# Altium PCB GPSGSMTruck.PcbDoc
Units mm, origin at the board's own origin, x right, y up, seen from the top; angles counter-clockwise.
Board outline 70 x 55 mm, 2 copper layers (Top Layer, Bottom Layer); 118 components, 87 nets, 413 pads, 170 vias.
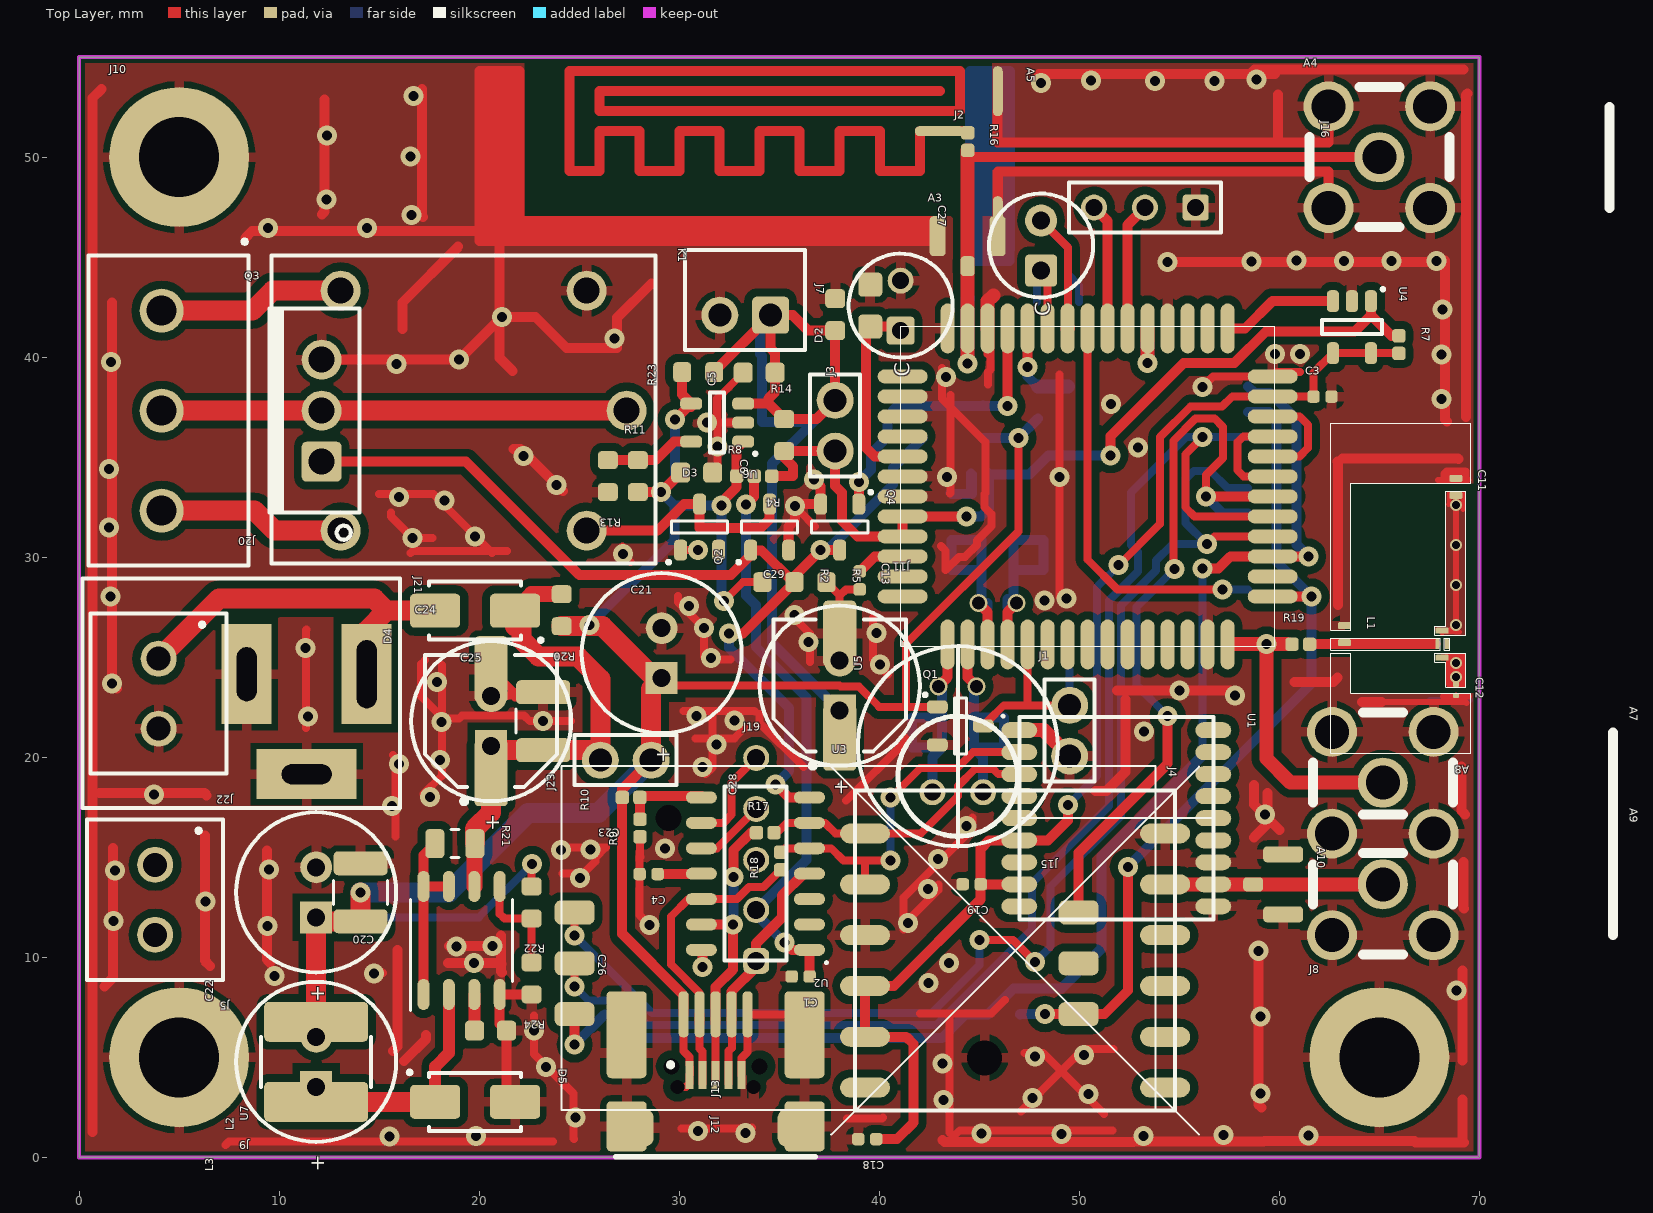
[diagram p0: Top Layer view]
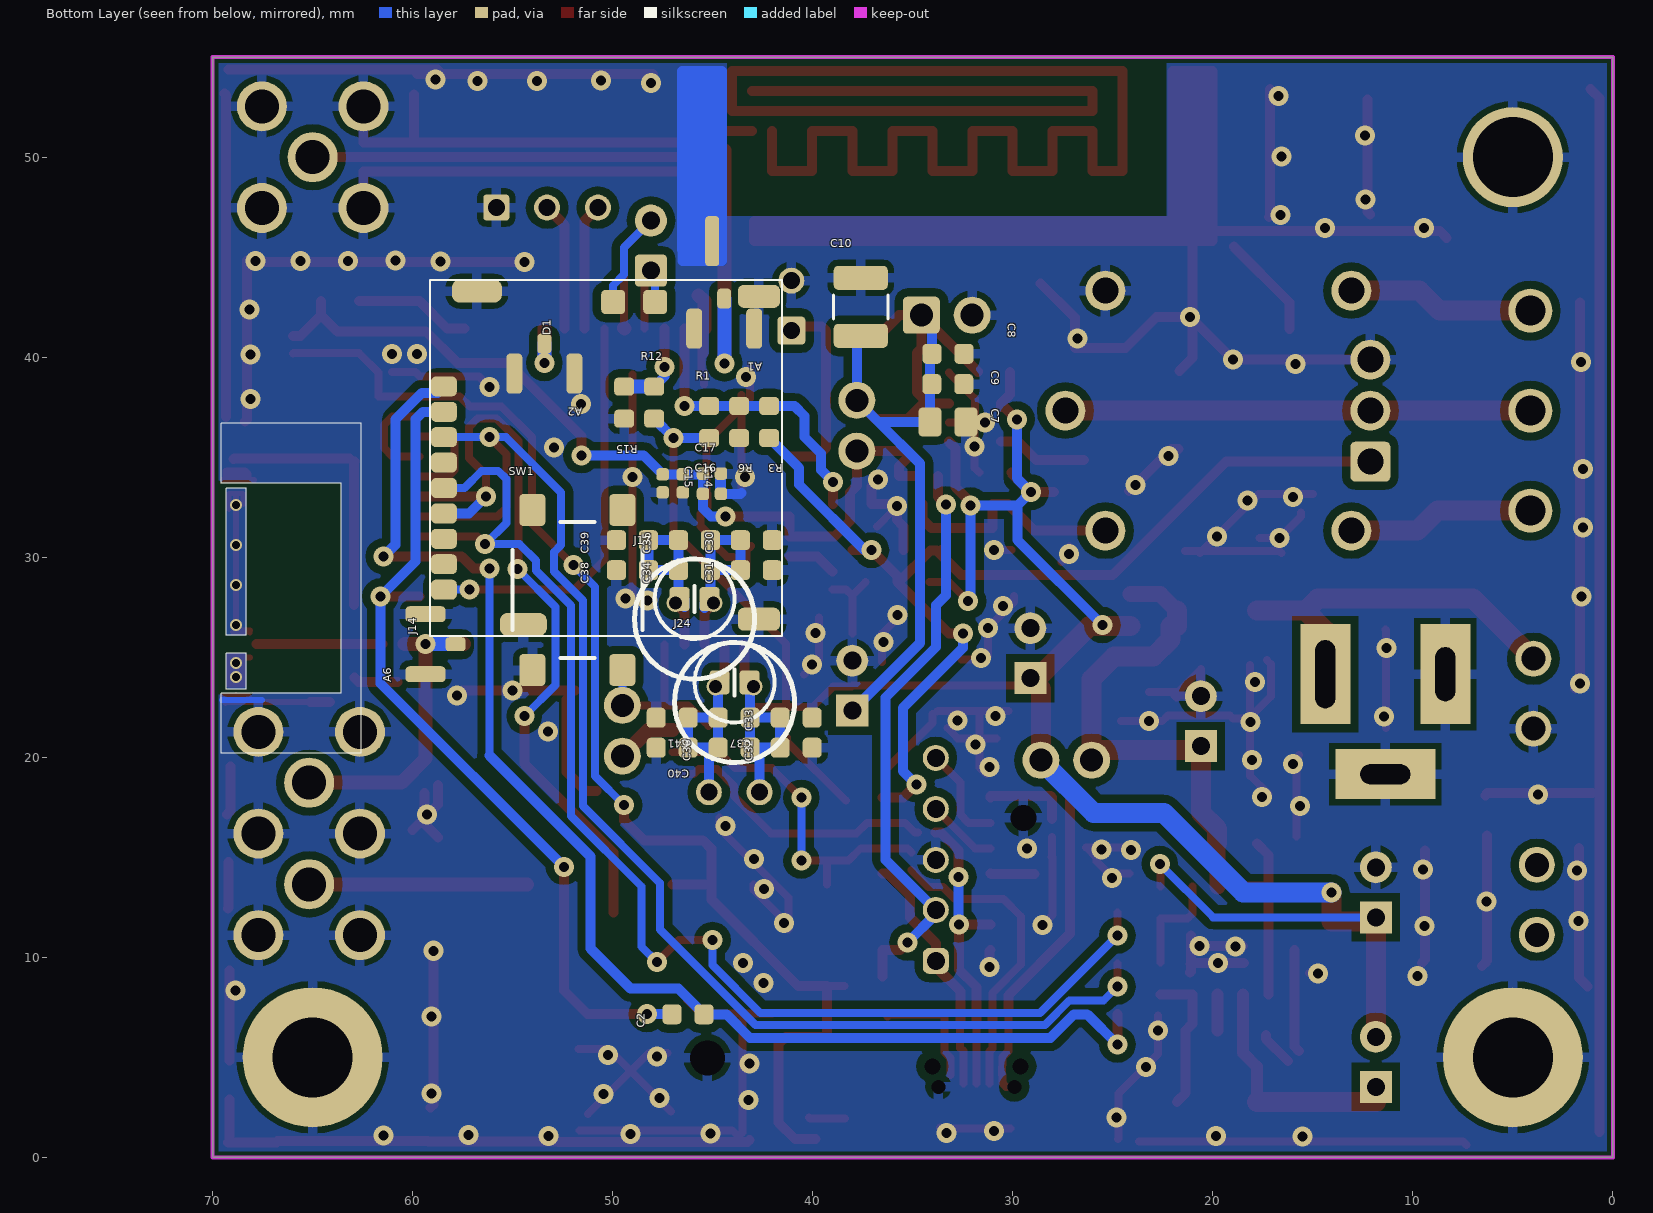
[diagram p1: Bottom Layer view, seen from below]
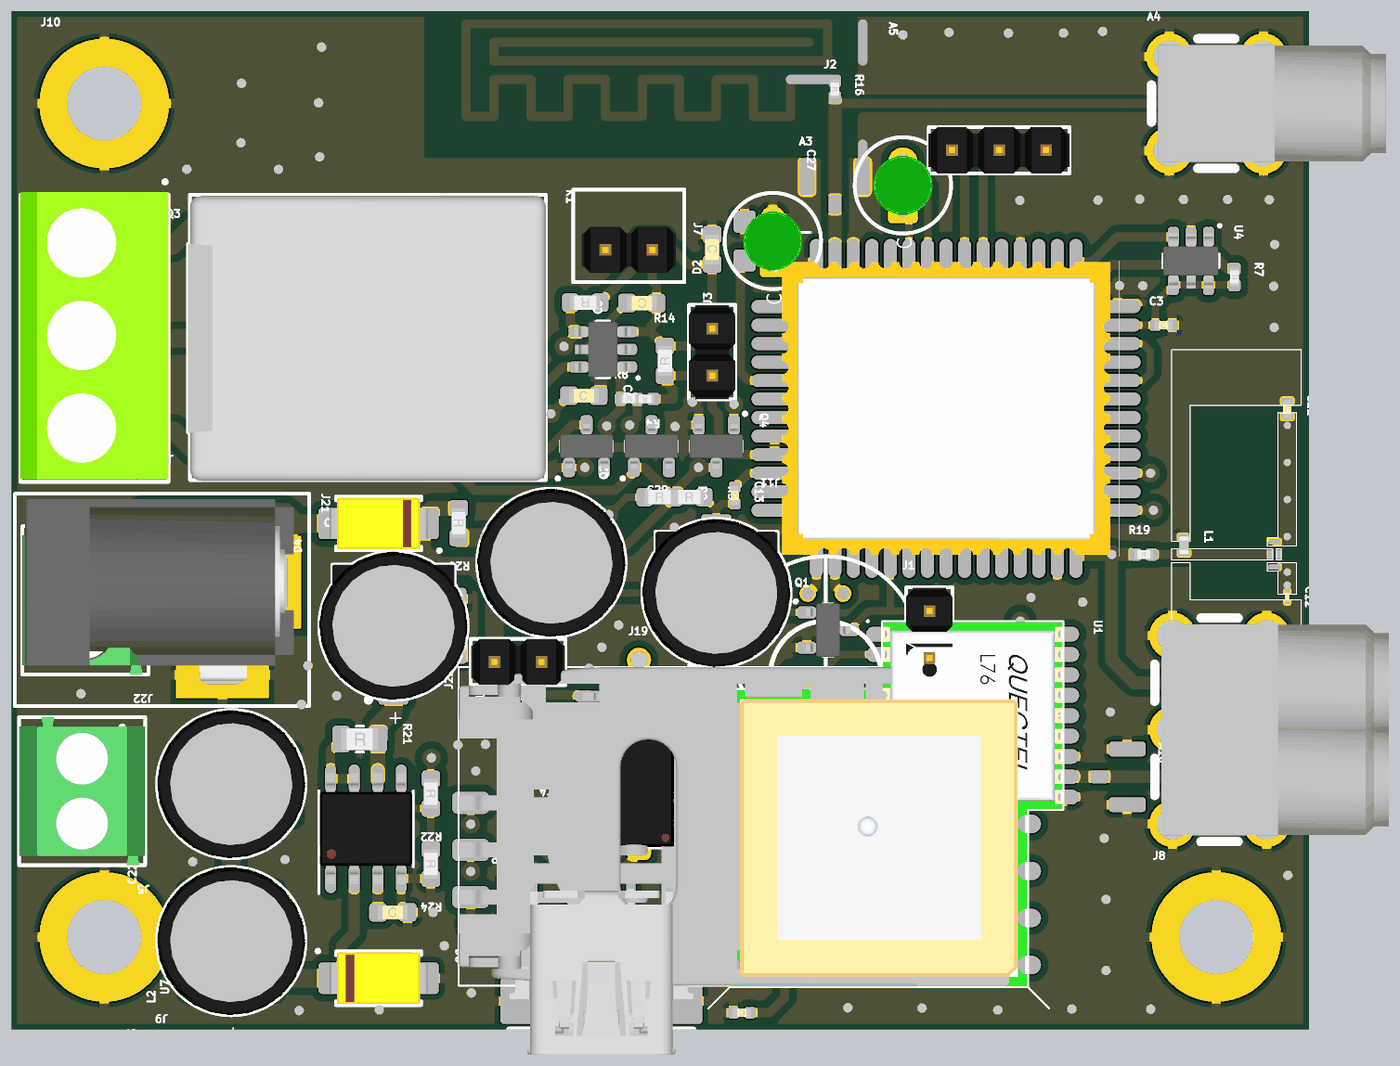
[diagram p2: 3D render of the assembled board from above, using the file's embedded part models]
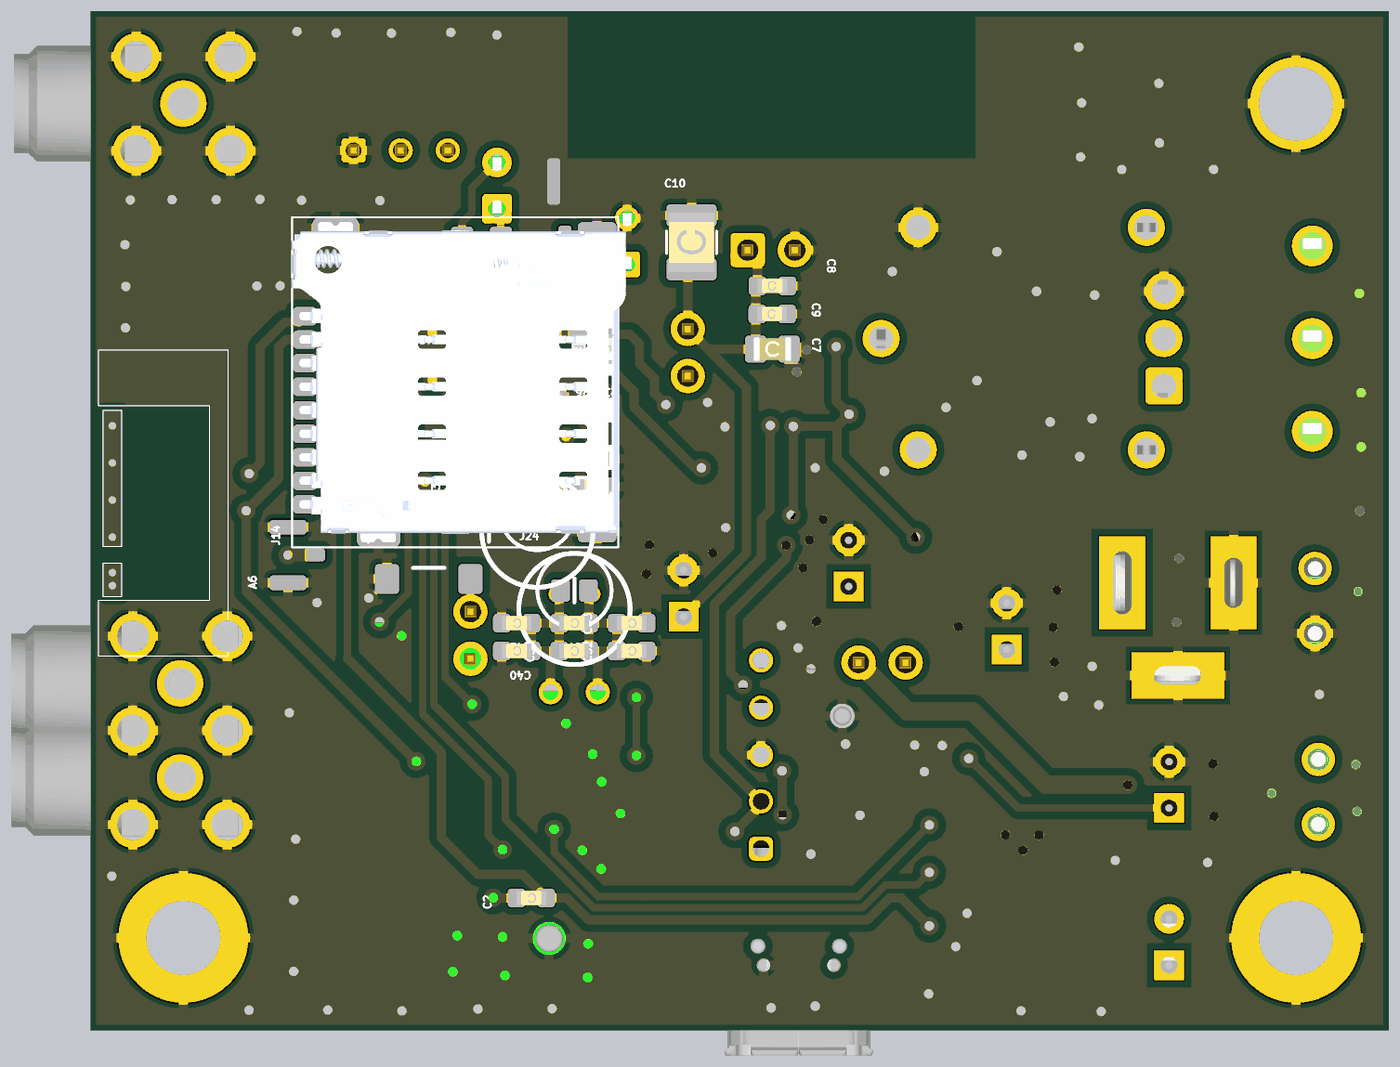
[diagram p3: 3D render of the assembled board from below, using the file's embedded part models]

## Layer stack, top to bottom
Top Solder: solder mask 0.0102, Solder Resist, Dk 3.5
Top Layer: signal copper 0.0356
Dielectric 1: dielectric 0.32, FR-4, Dk 4.8
Bottom Layer: signal copper 0.0356
Bottom Solder: solder mask 0.0102, Solder Resist, Dk 3.5

## Board outline
0,0 0,55 70,55 70,0

## Design rules (kind name [scope] priority, off if disabled: settings)
Clearance Clearance_Keepout [All vs OnLayer('Keep-Out Layer')] p1: gap=0.2
Clearance Clearance_Poly [All vs InPolygon] p2: gap=0.4
Clearance [All] p3: gap=0.2
ComponentClearance [All] p1 off: gap=0.254 collisioncheckmode=3 verticalgap=0.254 showdistances=FALSE
Height [All] p1 off: minheight=0 maxheight=25.4 prefheight=12.7
HoleSize [All] p1: absolutevalues=TRUE maxlimit=5 minlimit=0.025 maxpercent=80.000 minpercent=20.000
HoleToHoleClearance [All] p1: gap=0.25 allowstackedmicrovias=TRUE
PlaneClearance [All] p1: clearance=0.35
PolygonConnect DirectConnectComponents [InComponent(A1,A2,A3,A8,A5)] p1: connectstyle=Direct reliefconductorwidth=0 reliefentries=4 polygonreliefangle="90 Angle" airgapwidth=0.254
PolygonConnect PolygonConnect_1 [InPadClass('Flooded')] p2: connectstyle=Direct reliefconductorwidth=0.254 reliefentries=4 polygonreliefangle="90 Angle" airgapwidth=0.254
PolygonConnect PolygonConnect_GND [All vs IsVia] p3: connectstyle=Direct reliefconductorwidth=0.254 reliefentries=4 polygonreliefangle="90 Angle" airgapwidth=0.254
PolygonConnect [All] p4: connectstyle=Relief reliefconductorwidth=0.5 reliefentries=4 polygonreliefangle="90 Angle" airgapwidth=0.3
RoutingVias [All] p1: holewidth=0.711 width=1.27 viastyle="Through Hole" minholewidth=0.711 minwidth=1.27 maxholewidth=0.711 maxwidth=1.27
SolderMaskExpansion [All] p1: expansion=0.102
UnpouredPolygon [All] p1: allowunpoured=FALSE
Width [All] p1: maxlimit=5 minlimit=0.2 preferedwidth=0.5
24 further rules are at their usual default settings.

## Classes and differential pairs
pad class Flooded: J11-7 J11-8

## Components (designator, comment, footprint, x,y, rotation, side; value= is the part's Value field where it differs from the comment)
A1 "ANTENNA_UFL" SMD_CON_ANTENNA_UFL 44.425,41.425 r0 bottom
A2 "UFL" SMD_CON_ANTENNA_UFL 53.42,39.18 r0 bottom
A3 "UFL" SMD_CON_ANTENNA_UFL 44.42,46.05 r0 top
A4 "SMA" SMD_CON_ANTENNA_SMA_RIGHT_ANGLE#1 65,50 r0 top
A5 "PCB" SMD_CON_ANTENNA_GSM_PCB_1_INV 45.05,51.3 r0 top
A6 "ANTENNA_UFL" SMD_CON_ANTENNA_UFL 59.36,25.65 r90 bottom
A7 "SMA" SMD_CON_ANTENNA_SMA_RIGHT_ANGLE#2 65.175,18.725 r0 top
A8 "ANTENNA_GPS_BT" SMD_CHIP_ANTENNA_GPS_BT 68.14,25.65 r270 top
A9 "SMA" SMD_CON_ANTENNA_SMA_RIGHT_ANGLE#1 65.175,13.645 r0 top
A10 "ANTENNA_UFL" SMD_CON_ANTENNA_UFL 60.195,13.645 r270 top
C1 "10uF" SMD_0402_CAPC1005X90N 36.07,9.04 r180 top
C2 "1uF" SMD_0603_CAPC1608X95N 46.236,7.15 r0 bottom
C3 "10uF" SMD_0402_CAPC1005X90N 62.16,38.03 r0 top
C4 "10uF" SMD_0402_CAPC1005X90N 28.47,14.16 r180 top
C5 "10uF" SMD_0603_CAPC1608X95N 34,39.225 r180 top
C6 "10uF" SMD_0603_CAPC1608X95N 30.875,34.225 r0 top
C7 "10uF" SMD_0805_CAPC2012X95N 33.24,36.76 r180 bottom
C8 "100nF" SMD_0603_CAPC1608X95N 33.24,40.17 r180 bottom
C9 "10pF" SMD_0603_CAPC1608X95N 33.25,38.65 r180 bottom
C10 "22uF" SMD_1210_CAPC3225X279N 37.6,42.52 r90 bottom
C11 "15pF" "SMD_0402_CAPC1005X90N - ANTENNA" 68.83,33.51 r270 top
C12 "2.2pF" "SMD_0201_CAPC0603X33N - ANTENNA" 68.83,23.36 r270 top
C13 "10uF" SMD_0402_CAPC1005X90N 39.02,28.84 r270 top
C14 "33pF" SMD_0402_CAPC1005X90N 46.495,33.69 r270 bottom
C15 "10pF" SMD_0402_CAPC1005X90N 47.5,33.69 r270 bottom
C16 "10uF" SMD_0402_CAPC1005X90N 45.04,33.17 r180 bottom
C17 "100nF" SMD_0402_CAPC1005X90N 45.04,34.18 r180 bottom
C18 "10uF" SMD_0402_CAPC1005X90N 39.4,0.91 r180 top
C19 "100nF" SMD_0402_CAPC1005X90N 44.62,13.65 r180 top
C20 "100uF" SMD_1210_CAPC3225X279N 14.075,13.25 r270 top
C21 "470uF" PTH_CAPPR250-800X800 29.125,25.2 r90 top
C22 "22uF" PTH_CAPPR250-800X800 11.85,13.25 r90 top
C23 "10uF/50V" SMD_1210_CAPC3225X279N 23.2,21.8 r270 top
C24 "100uF" SMD_CAPAE660X550N 20.6,21.8 r90 top
C25 "100uF" PTH_CAPPR250-800X800 20.6,21.8 r90 top
C26 "1nF" SMD_0603_CAPC1608X95N 20.57,6.33 r0 top
C27 "10uF" SMD_0603_CAPC1608X95N 37.8,42.125 r270 top
C28 "470uF" PTH_CAPPR250-800X800 38.025,23.575 r90 top
C29 "220uF" SMD_CAPAE660X550N 38.025,23.575 r90 top
C30 "33pF" SMD_0603_CAPC1608X95N 42.815,30.85 r0 bottom
C31 "10pF" SMD_0603_CAPC1608X95N 42.815,29.35 r0 bottom
C32 "33pF" SMD_0603_CAPC1608X95N 40.825,20.475 r0 bottom
C33 "10pF" SMD_0603_CAPC1608X95N 40.825,21.975 r0 bottom
C34 "33pF" SMD_0603_CAPC1608X95N 45.915,29.35 r0 bottom
C35 "10pF" SMD_0603_CAPC1608X95N 45.915,30.85 r0 bottom
C36 "33pF" SMD_0603_CAPC1608X95N 43.925,20.475 r0 bottom
C37 "10pF" SMD_0603_CAPC1608X95N 43.925,21.975 r0 bottom
C38 "33pF" SMD_0603_CAPC1608X95N 49.015,29.35 r0 bottom
C39 "10pF" SMD_0603_CAPC1608X95N 49.015,30.85 r0 bottom
C40 "33pF" SMD_0603_CAPC1608X95N 47.025,20.475 r0 bottom
C41 "10pF" SMD_0603_CAPC1608X95N 47.025,21.975 r0 bottom
D1 "LED_CALL" SMD_0805_LED2012X100N 48.925,42.76 r0 bottom
D2 "LED_NETWORK" SMD_0805_LED2012X100N 39.55,42.575 r90 top
D3 "D_A1C3" SMD_SOT23_SOT95P240X120-3N 31.02,31.5 r90 top
D4 "SS14" SMD_DO214AC_SMA 19.8,27.325 r180 top
D5 "SS14" SMD_DO214AC_SMA 19.8,2.775 r0 top
J1 "CON_2PINS" PTH_HDRV02W64P254_1X02 49.52,21.325 r90 top
J2 "LED_YELLOW_GREEN" PTH_LED-KINGBRIGHT-L-934SGC#1 48.09,45.58 r90 top
J3 "LED_YELLOW_GREEN" PTH_LED-KINGBRIGHT-L-934SGC#2 41.07,42.575 r90 top
J4 "GSM SIMH" SMD_CON-ATTEND_SIM_115B-AAA0-R01 45.27,4.97 r0 top
J5 "CON_13PINS" PTH_HDRV02W11060P350_1X02 3.8,12.875 r270 top
J7 "DW02S" PTH_HDRV02W64P254_1X02_BATTERY 33.3,42.1 r0 top
J8 "CON_1PIN" PTH_MOUNT_HOLE#1 65,5 r0 top
J9 "CON_1PIN" PTH_MOUNT_HOLE#1 5,5 r180 top
J10 "CON_1PIN" PTH_MOUNT_HOLE#2 5,50 r0 top
J11 "CON_2PINS" PTH_HDRV02W64P254_1X02 37.8,36.575 r270 top
J12 "ATTEND 207A-BBA0-R" SMD_CON_MICRO_USB 31.82,4.125 r270 top
J13 "ATTEND 207A-BBA0-R" SMD_CON-CVILUX-CU04-SCM15B0 31.82,4.55 r0 top
J14 "CON_13PINS" SMD_CON-ATTEND_MICRO_SIM_115Q-BCA0 42.69,34.97 r90 bottom locked
J15 "LD-MC-9765" PTH_MIC_9.6MM_6MM 43.925,19.05 r180 top
J16 "CON_3PINS" PTH_HDRV03W64P254_1X03 53.28,47.48 r0 top
J17 "CON_2PINS" PTH_MIC_6MM_2.7MM_PITCH1.9 45.91,26.91 r180 bottom
J19 "CON_5PINS" "SIP5 - PGM" 33.85,14.89 r90 top
J20 "HDRV 3P" PTH_HDRV03W11060P500_1X03 4.475,37.325 r270 top
J21 "CON_3PINS" PTH_DC-POWER-JACK_210-112 11.375,24.15 r0 top
J22 "CON_2PINS" PTH_HDRV02W11060P350_1X02 3.975,23.175 r270 top
J23 "CON_2PINS" PTH_HDRV02W64P254_1X02 27.325,19.85 r180 top
J24 "CON_2PINS" PTH_MIC_6MM_2.7MM_PITCH1.9 43.91,22.74 r180 bottom
K1 "RELAY_SPDT" PTH_REL_RAS 19.225,37.325 r0 top locked
L1 "1.5nH" "SMD_0402_INDC1005X55N - ANTENNA" 63.26,26.15 r270 top
L2 "220uH" SMD_INDM600500 11.85,4.775 r90 top
L3 "220uH" PTH_CAPPR250-800X800 11.85,4.775 r90 top
Q1 "DTC114YKA" SMD_SOT23_SOT95P240X120-3N 44.05,21.57 r0 top
Q2 "BC817" SMD_SOT23_SOT95P240X120-3N 34.525,31.5 r90 top
Q3 "AP9987GJ" PTH_TO220AB 11.775,37.325 r90 top
Q4 "BC817" SMD_SOT23_SOT95P240X120-3N 38.025,31.5 r270 top
R1 "10k" SMD_0603_RESC1608X55N 45.18,36.76 r90 bottom
R2 "10k" SMD_0603_RESC1608X55N 34.96,28.75 r0 top
R3 "0" SMD_0603_RESC1608X55N 42.18,36.76 r270 bottom
R4 "0" SMD_0402_RESC1005X37N 34.19,34.05 r180 top
R5 "10k" SMD_0603_RESC1608X55N 36.56,28.75 r0 top
R6 "10k" SMD_0603_RESC1608X55N 43.68,36.76 r270 bottom
R7 "0" SMD_0402_RESC1005X37N 65.98,40.63 r270 top
R8 "0" SMD_0402_RESC1005X37N 33.31,34.05 r0 top
R9 "10k" SMD_0402_RESC1005X37N 28.04,16.46 r90 top
R10 "10k" SMD_0402_RESC1005X37N 27.594,17.99 r180 top
R11 "10k" SMD_0603_RESC1608X55N 27.93,34.05 r90 top
R12 "10k" SMD_0603_RESC1608X55N 47.925,37.725 r90 bottom
R13 "10k" SMD_0603_RESC1608X55N 26.43,34.05 r270 top
R14 "0" SMD_0603_RESC1608X55N 35.25,36.1 r90 top
R15 "10k" SMD_0603_RESC1608X55N 49.425,37.725 r270 bottom
R16 "0" SMD_0402_RESC1005X37N 44.42,50.78 r270 top
R17 "0" SMD_0402_RESC1005X37N 34.3,16.229 r0 top
R18 "0" SMD_0402_RESC1005X37N 35.07,14.81 r90 top
R19 "0" SMD_0402_RESC1005X37N 61.075,25.65 r0 top
R20 "0" SMD_0603_RESC1608X55N 24.125,27.35 r270 top
R21 "1R" SMD_0805_RESC2012X60N 18.78,15.68 r0 top
R22 "3k6" SMD_0603_RESC1608X55N 22.62,12.74 r270 top
R23 "1R" SMD_0603_RESC1608X55N 30.95,39.25 r180 top
R24 "1k2" SMD_0603_RESC1608X55N 22.62,8.94 r270 top
SW1 "DTSM-62N" SMD_SW_TACT-64K_5 51.77,28.36 r180 bottom
U1 "QUECTEL_L76" SMD_MOD_L76_SOIC110P970X1010-18N 51.85,16.95 r0 top
U2 "IC_PIC16F1454TESL-SO14" SMD_SOIC127P600X175-14N 33.81,14.18 r180 top
U3 "QUECTEL_L80 / L86" SMD_MOD_L80_SOIC254P1600X1600-12N 46.79,10.335 r0 top
U4 "BU33TD3WG" "SMD_SOT26_SOT95P285X140-5N - DLV" 63.63,41.5 r270 top
U5 "MOD_QUECTEL_MC60" SMD_MOD_MC60_54_PIN 50.42,33.54 r90 top locked
U6 "MCP73811 450mA" "SMD_SOT26_SOT95P285X140-5N - DLV" 31.9,36.725 r180 top
U7 "34063" SMD_SOIC127P600X175-8N 19.12,10.84 r90 top

## Footprints (in the part's own frame and the unit in brackets; to place one, negate y for a bottom-side part, rotate by r counter-clockwise, add the part's x,y. Pads: shape width x height; smd on the part's side, far side on the other; paste and mask are expansions set on the pad)
PTH_CAPPR250-800X800 [mm]
  rect 1.6x1.6 / inner round 1.6 / far side rect 1.6x1.6 hole 0.9 mask+0.075: 1(-1.25,0)
  round 1.6 hole 0.9 mask+0.075: 2(1.25,0)
  silkscreen extent -4,-4 4,4, body extent -4,-4 4.01,4, height 8
PTH_DC-POWER-JACK_210-112 [mm]
  rect 2.5x5 hole 1 slot 3.4 at 90 deg mask+0.075: 1(3,0)
  rect 5x2.5 hole 1 slot 2.5 at 0 deg mask+0.075: 2(0,-5)
  rect 2.5x5 hole 1 slot 2.7 at 90 deg mask+0.075: 3(-3,0)
  silkscreen extent -11.2,-6.69 4.67,4.79, body extent -10.66,-5.3 3.84,4.5, height 11
PTH_HDRV02W64P254_1X02 [mm]
  round 1.85 hole 1.15 mask+0.075: 1(-1.27,0) 2(1.27,0)
  silkscreen extent -2.55,-1.25 2.55,1.25, body extent -2.54,-1.25 2.54,1.25, height 8
PTH_HDRV02W64P254_1X02_BATTERY [mm]
  round 1.85 hole 1.15 mask+0.075: 1(-1.27,0)
  rrect25% 1.85x1.85 hole 1.15 mask+0.075: 2(1.27,0)
  silkscreen extent -3,-1.75 3,3.25, body extent -2.54,-1.25 2.54,1.25, height 8
PTH_HDRV02W11060P350_1X02 [mm]
  round 1.8 hole 1.2 mask+0.075: 1(-1.75,0) 2(1.75,0)
  silkscreen extent -4,-3.4 4,3.4, body extent -4,-3.4 4,3.4, height 8.4
PTH_HDRV03W64P254_1X03 [mm]
  round 1.3 hole 0.85 mask+0.075: 1(-2.54,0) 2(0,0)
  rrect25% 1.3x1.3 hole 0.85 mask+0.075: 3(2.54,0)
  silkscreen extent -3.8,-1.25 3.8,1.25, body extent -3.81,-1.25 3.81,1.25, height 8
PTH_HDRV03W11060P500_1X03 [mm]
  round 2.2 hole 1.5 mask+0.075: 1(-5,-0.35) 2(0,-0.35) 3(5,-0.35)
  silkscreen extent -8.65,-4 7.75,4, body extent -7.9,-4 7.6,4, height 11
PTH_LED-KINGBRIGHT-L-934SGC#1 [mm]
  rrect25% 1.6x1.6 / inner round 1.6 / far side rrect25% 1.6x1.6 hole 0.9 mask+0.075: 1(-1.25,0)
  round 1.6 hole 0.9 mask+0.075: 2(1.25,0)
  silkscreen extent -2.6,-2.6 2.6,2.6, body extent -1.6,-1.6 1.6,1.6, height 5.9
PTH_LED-KINGBRIGHT-L-934SGC#2 [mm]
  rrect25% 1.4x1.4 / inner round 1.4 / far side rrect25% 1.4x1.4 hole 0.85 mask+0.075: 1(-1.25,0)
  round 1.3 hole 0.85 mask+0.075: 2(1.25,0)
  silkscreen extent -2.6,-2.6 2.6,2.6, body extent -1.6,-1.6 1.6,1.6, height 5.9
PTH_MIC_6MM_2.7MM_PITCH1.9 [mm] "PMO-6027P-40KDQ(20120820)"
  round 0.9 hole 0.65: 1(-0.95,0.8) 2(0.95,0.8)
  rrect33% 1x1.2 smd mask+0.075: 1(-0.75,1) 2(0.75,1)
  silkscreen extent -3,-3 3,3, body extent -2.98,-2.99 3,2.99, height 6.45
PTH_MIC_9.6MM_6MM [mm] "ECM-60PC PMO-6027P-40KDQ(20120820)"
  round 1.3 hole 0.85: 1(-1.27,0.8) 2(1.27,0.8)
  silkscreen extent -5,-6.5 5,3.5, body extent -4.81,-6.34 4.85,3.34, height 6.5
PTH_MOUNT_HOLE#1 [mm]
  round 7 hole 4: 1(0,0)
PTH_MOUNT_HOLE#2 [mm]
  round 7 / inner round 7 / far side round 5 hole 4: 1(0,0)
PTH_REL_RAS [mm]
  round 2 hole 1.3 mask+0.075: 1(6.15,6) 2(6.15,-6) 3(8.15,0) 4(-6.15,6) 5(-6.15,-6)
  silkscreen extent -9.6,-7.65 9.6,7.75, body extent -9.6,-7.7 9.6,7.7, height 15.3
PTH_TO220AB [mm]
  rrect25% 2x2 hole 1.3 mask+0.075: 1(-2.55,-0.35)
  round 2 hole 1.3 mask+0.075: 2(0,-0.35) 3(2.55,-0.35)
  silkscreen extent -6.45,-2.25 5.1,2.25, body extent -5.12,-2.25 5.12,2.26, height 19.2
"SIP5 - PGM" [mm]
  rrect50% 1.3x1.3 hole 0.9: 1(-5.075,0)
  round 1.3 hole 0.9: 2(-2.525,0) 3(-0.025,0) 4(2.525,0) 5(5.075,0)
"SMD_0201_CAPC0603X33N - ANTENNA" [mm]
  rrect42% 0.25x0.3 smd mask+0.075: 1(-0.28,0) 2(0.27,0)
  body extent -0.3,-0.15 0.3,0.15, height 0.33
SMD_0402_CAPC1005X90N [mm]
  rrect48% 0.62x0.62 smd mask+0.075: 1(-0.45,0) 2(0.45,0)
  body extent -0.5,-0.25 0.5,0.25, height 0.9
"SMD_0402_CAPC1005X90N - ANTENNA" [mm]
  rrect42% 0.35x0.65 smd mask+0.075: 1(-0.43,0) 2(0.42,0)
  body extent -0.5,-0.25 0.5,0.25, height 0.9
"SMD_0402_INDC1005X55N - ANTENNA" [mm]
  rrect42% 0.35x0.65 smd mask+0.075: 1(-0.43,0) 2(0.42,0)
  body extent -0.5,-0.27 0.5,0.28, height 0.55
SMD_0402_RESC1005X37N [mm]
  rrect45% 0.67x0.67 smd mask+0.05: 1(-0.44,0) 2(0.44,0)
  body extent -0.5,-0.25 0.5,0.25, height 0.37
SMD_0603_CAPC1608X95N [mm]
  rrect42% 0.95x1 smd mask+0.075: 1(-0.8,0) 2(0.8,0)
  body extent -0.8,-0.4 0.8,0.4, height 0.95
SMD_0603_RESC1608X55N [mm]
  rrect44% 0.9x1 smd mask+0.075: 1(-0.8,0) 2(0.8,0)
  body extent -0.8,-0.4 0.8,0.4, height 0.55
SMD_0805_CAPC2012X95N [mm]
  rrect35% 1.15x1.45 smd mask+0.075: 1(-0.9,0) 2(0.9,0)
  body extent -1,-0.62 1,0.63, height 1.25
SMD_0805_LED2012X100N [mm]
  rrect33% 1.2x1.2 smd mask+0.075: 1(-1.05,0) 2(1.05,0)
SMD_0805_RESC2012X60N [mm]
  rrect42% 0.95x1.45 smd mask+0.05: 1(-1,0) 2(1,0)
  silkscreen extent -0.2,-0.7 0.2,0.7, body extent -1,-0.6 1,0.6, height 0.6
SMD_1210_CAPC3225X279N [mm]
  rrect35% 1.2x2.7 smd mask+0.075: 1(-1.45,0) 2(1.45,0)
  silkscreen extent -0.6,-1.35 0.6,1.35, body extent -1.6,-1.25 1.6,1.25, height 2.79
SMD_CAPAE660X550N [mm]
  rrect24% 3.3x1.65 smd mask+0.075: 1(-2.6,0) 2(2.6,0)
  silkscreen extent -4.12,-3.3 3.3,3.3, body extent -3.65,-3.3 3.65,3.3, height 5.5